# Altium PCB GE21_M1_pku_f100.PcbDoc (part 11 of 19) (continued)
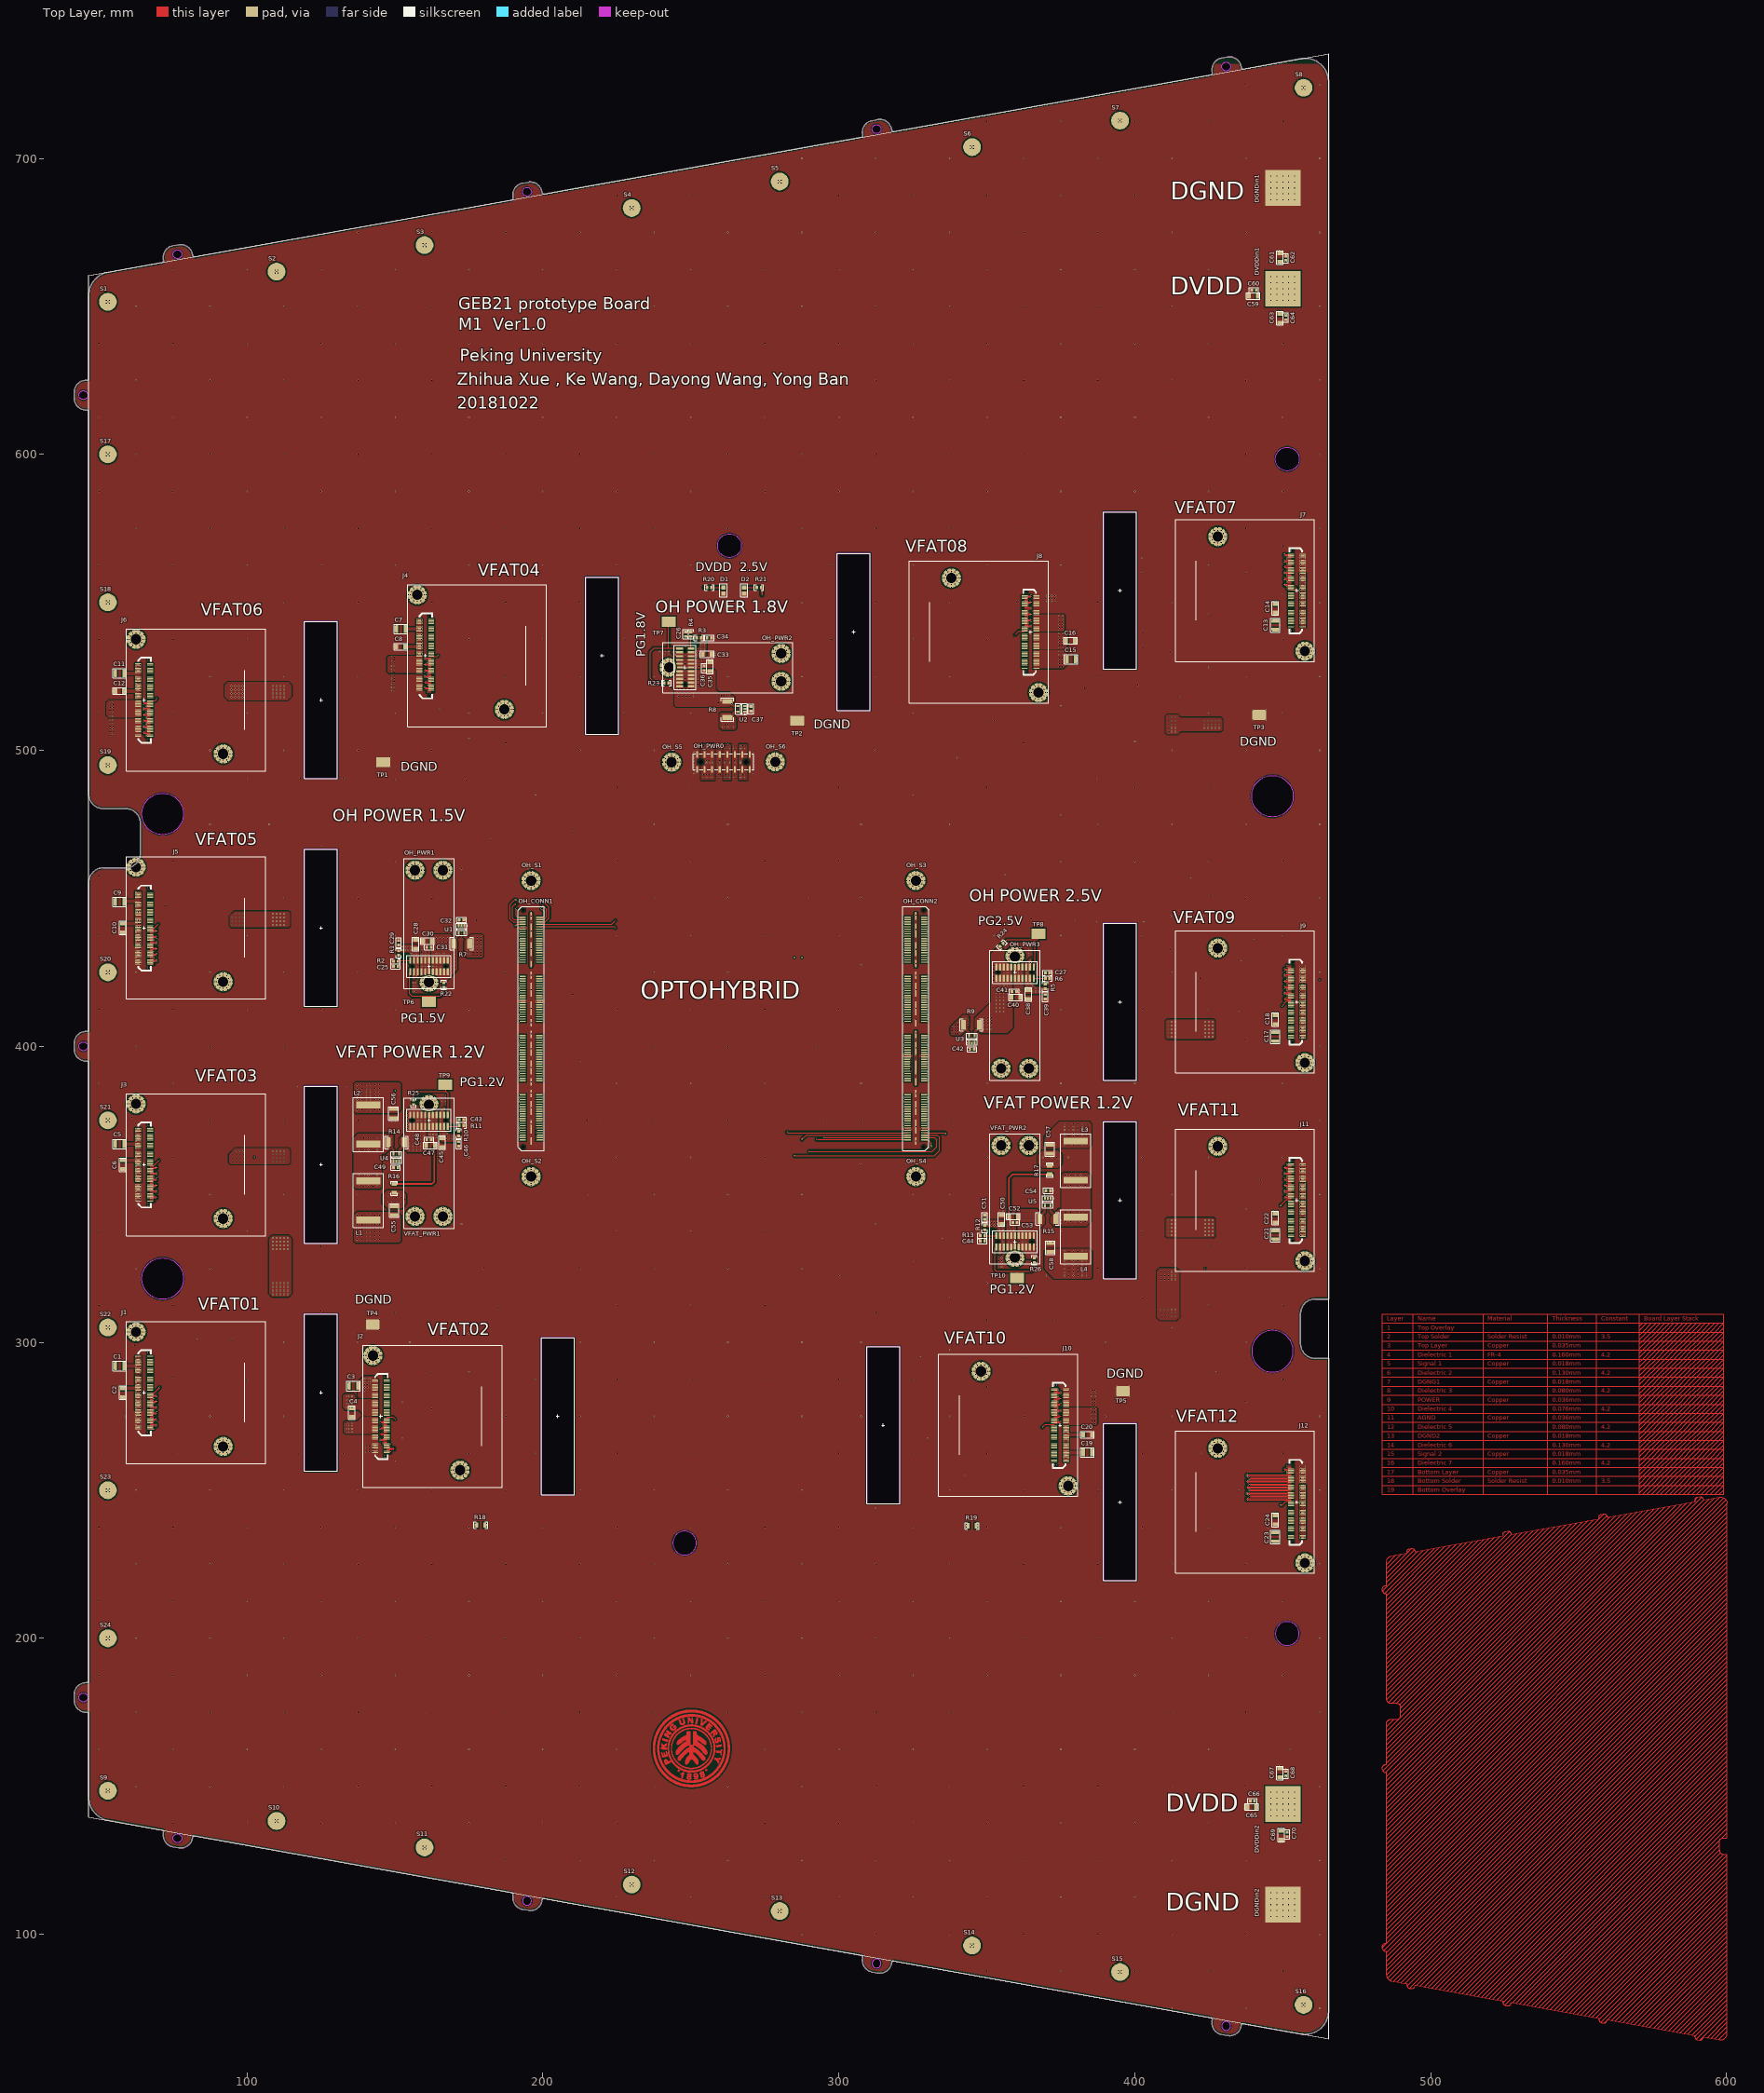
[diagram p0: Top Layer view]
## Nets (pads, with @x,y where several pads share a name; then routed paths per layer and width w, separated by ;. In a path a pad name is that pad's centre, name@x,y a point inside that pad or via, vN(x,y) a via of type N, cw(c..) or ccw(c..) an arc to the next point about the centre after c; other vN are vias at no path point) (continued)
; 238.749,161.561 239.358,161.561 ; 238.749,164.126 239.358,164.126 ; 238.749,164.152 239.358,164.152 ; 238.749,164.177 239.358,164.177 ; 238.749,164.203 239.358,164.203 ; 238.749,164.228 239.358,164.228 ; 238.749,164.253 239.358,164.253 ; 238.749,164.279 239.358,164.279 ; 238.749,164.304 239.358,164.304 ; 238.749,164.33 239.384,164.33 ; 238.749,169.029 239.536,169.029 ; 238.749,169.054 239.536,169.054 ; 238.774,156.583 239.561,156.583 ; 238.774,156.608 239.561,156.608 ; 238.774,161.18 239.409,161.18 ; 238.774,161.205 239.384,161.205 ; 238.774,161.231 239.384,161.231 ; 238.774,161.256 239.384,161.256 ; 238.774,161.282 239.384,161.282 ; 238.774,161.307 239.384,161.307 ; 238.774,161.332 239.384,161.332 ; 238.774,164.355 239.384,164.355 ; 238.774,164.38 239.384,164.38 ; 238.774,164.406 239.384,164.406 ; 238.774,164.431 239.384,164.431 ; 238.774,164.457 239.384,164.457 ; 238.774,164.482 239.384,164.482 ; 238.774,164.507 239.409,164.507 ; 238.774,169.079 239.561,169.079 ; 238.799,156.557 239.587,156.557 ; 238.799,161.028 239.434,161.028 ; 238.799,161.053 239.409,161.053 ; 238.799,161.078 239.409,161.078 ; 238.799,161.104 239.409,161.104 ; 238.799,161.129 239.409,161.129 ; 238.799,161.155 239.409,161.155 ; 238.799,164.533 239.409,164.533 ; 238.799,164.558 239.409,164.558 ; 238.799,164.584 239.409,164.584 ; 238.799,164.609 239.409,164.609 ; 238.799,164.634 239.409,164.634 ; 238.799,164.66 239.434,164.66 ; 238.799,169.105 239.587,169.105 ; 238.799,169.13 239.587,169.13 ; 238.825,156.506 239.612,156.506 ; 238.825,156.532 239.612,156.532 ; 238.825,160.875 239.46,160.875 ; 238.825,160.901 239.434,160.901 ; 238.825,160.926 239.434,160.926 ; 238.825,160.951 239.434,160.951 ; 238.825,160.977 239.434,160.977 ; 238.825,161.002 239.434,161.002 ; 238.825,164.685 239.434,164.685 ; 238.825,164.711 239.434,164.711 ; 238.825,164.736 239.434,164.736 ; 238.825,164.761 239.434,164.761 ; 238.825,164.787 239.434,164.787 ; 238.825,164.812 239.46,164.812 ; 238.825,169.156 239.612,169.156 ; 238.825,169.181 239.612,169.181 ; 238.85,156.456 239.663,156.456 ; 238.85,156.481 239.638,156.481 ; 238.85,160.748 239.485,160.748 ; 238.85,160.774 239.46,160.774 ; 238.85,160.799 239.46,160.799 ; 238.85,160.824 239.46,160.824 ; 238.85,160.85 239.46,160.85 ; 238.85,164.838 239.46,164.838 ; 238.85,164.863 239.46,164.863 ; 238.85,164.888 239.46,164.888 ; 238.85,164.914 239.46,164.914 ; 238.85,164.939 239.485,164.939 ; 238.85,169.206 239.638,169.206 ; 238.85,169.232 239.663,169.232 ; 238.876,156.405 239.688,156.405 ; 238.876,156.43 239.663,156.43 ; 238.876,160.621 239.511,160.621 ; 238.876,160.647 239.485,160.647 ; 238.876,160.672 239.485,160.672 ; 238.876,160.697 239.485,160.697 ; 238.876,160.723 239.485,160.723 ; 238.876,164.965 239.485,164.965 ; 238.876,164.99 239.485,164.99 ; 238.876,165.015 239.485,165.015 ; 238.876,165.041 239.485,165.041 ; 238.876,165.066 239.511,165.066 ; 238.876,169.257 239.663,169.257 ; 238.876,169.283 239.688,169.283 ; 238.901,156.379 239.688,156.379 ; 238.901,160.494 239.536,160.494 ; 238.901,160.52 239.511,160.52 ; 238.901,160.545 239.511,160.545 ; 238.901,160.57 239.511,160.57 ; 238.901,160.596 239.511,160.596 ; 238.901,165.092 239.511,165.092 ; 238.901,165.117 239.511,165.117 ; 238.901,165.142 239.511,165.142 ; 238.901,165.168 239.536,165.168 ; 238.901,165.193 239.536,165.193 ; 238.901,169.308 239.688,169.308 ; 238.926,156.329 239.739,156.329 ; 238.926,156.354 239.714,156.354 ; 238.926,160.367 239.561,160.367 ; 238.926,160.393 239.561,160.393 ; 238.926,160.418 239.536,160.418 ; 238.926,160.443 239.536,160.443 ; 238.926,160.469 239.536,160.469 ; 238.926,165.219 239.536,165.219 ; 238.926,165.244 239.536,165.244 ; 238.926,165.269 239.536,165.269 ; 238.926,165.295 239.561,165.295 ; 238.926,165.32 239.561,165.32 ; 238.926,169.333 239.714,169.333 ; 238.926,169.359 239.739,169.359 ; 238.952,156.278 239.765,156.278 ; 238.952,156.303 239.739,156.303 ; 238.952,160.266 239.587,160.266 ; 238.952,160.291 239.561,160.291 ; 238.952,160.316 239.561,160.316 ; 238.952,160.342 239.561,160.342 ; 238.952,165.346 239.561,165.346 ; 238.952,165.371 239.561,165.371 ; 238.952,165.396 239.587,165.396 ; 238.952,165.422 239.587,165.422 ; 238.952,169.384 239.739,169.384 ; 238.952,169.41 239.765,169.41 ; 238.977,156.252 239.79,156.252 ; 238.977,160.164 239.612,160.164 ; 238.977,160.189 239.587,160.189 ; 238.977,160.215 239.587,160.215 ; 238.977,160.24 239.587,160.24 ; 238.977,165.447 239.587,165.447 ; 238.977,165.473 239.587,165.473 ; 238.977,165.498 239.587,165.498 ; 238.977,165.523 239.612,165.523 ; 238.977,169.435 239.79,169.435 ; 239.003,156.202 239.815,156.202 ; 239.003,156.227 239.79,156.227 ; 239.003,160.037 239.638,160.037 ; 239.003,160.062 239.638,160.062 ; 239.003,160.088 239.612,160.088 ; 239.003,160.113 239.612,160.113 ; 239.003,160.139 239.612,160.139 ; 239.003,165.549 239.612,165.549 ; 239.003,165.574 239.612,165.574 ; 239.003,165.6 239.612,165.6 ; 239.003,165.625 239.638,165.625 ; 239.003,165.65 239.638,165.65 ; 239.003,169.46 239.79,169.46 ; 239.003,169.486 239.815,169.486 ; 239.028,156.151 239.841,156.151 ; 239.028,156.176 239.815,156.176 ; 239.028,159.935 239.663,159.935 ; 239.028,159.961 239.663,159.961 ; 239.028,159.986 239.638,159.986 ; 239.028,160.012 239.638,160.012 ; 239.028,165.676 239.638,165.676 ; 239.028,165.701 239.663,165.701 ; 239.028,165.727 239.663,165.727 ; 239.028,165.752 239.663,165.752 ; 239.028,169.511 239.815,169.511 ; 239.028,169.537 239.841,169.537 ; 239.053,156.125 239.866,156.125 ; 239.053,159.834 239.688,159.834 ; 239.053,159.859 239.688,159.859 ; 239.053,159.885 239.688,159.885 ; 239.053,159.91 239.663,159.91 ; 239.053,165.777 239.663,165.777 ; 239.053,165.803 239.688,165.803 ; 239.053,165.828 239.688,165.828 ; 239.053,169.562 239.866,169.562 ; 239.079,156.075 239.892,156.075 ; 239.079,156.1 239.866,156.1 ; 239.079,159.758 239.714,159.758 ; 239.079,159.783 239.714,159.783 ; 239.079,159.808 239.688,159.808 ; 239.079,165.854 239.688,165.854 ; 239.079,165.879 239.688,165.879 ; 239.079,165.904 239.714,165.904 ; 239.079,165.93 239.714,165.93 ; 239.079,169.587 239.866,169.587 ; 239.079,169.613 239.892,169.613 ; 239.104,156.024 239.917,156.024 ; 239.104,156.049 239.917,156.049 ; 239.104,159.656 239.739,159.656 ; 239.104,159.681 239.739,159.681 ; 239.104,159.707 239.739,159.707 ; 239.104,159.732 239.714,159.732 ; 239.104,165.955 239.714,165.955 ; 239.104,165.981 239.739,165.981 ; 239.104,166.006 239.739,166.006 ; 239.104,166.031 239.739,166.031 ; 239.104,169.638 239.917,169.638 ; 239.104,169.664 239.942,169.664 ; 239.13,155.998 239.942,155.998 ; 239.13,159.58 239.765,159.58 ; 239.13,159.605 239.765,159.605 ; 239.13,159.631 239.765,159.631 ; 239.13,166.057 239.765,166.057 ; 239.13,166.082 239.765,166.082 ; 239.13,166.108 239.765,166.108 ; 239.13,169.689 239.942,169.689 ; 239.155,155.948 239.968,155.948 ; 239.155,155.973 239.968,155.973 ; 239.155,159.478 239.815,159.478 ; 239.155,159.504 239.79,159.504 ; 239.155,159.529 239.79,159.529 ; 239.155,159.554 239.79,159.554 ; 239.155,166.133 239.79,166.133 ; 239.155,166.158 239.79,166.158 ; 239.155,166.184 239.79,166.184 ; 239.155,166.209 239.815,166.209 ; 239.155,169.714 239.968,169.714 ; 239.155,169.74 239.968,169.74 ; 239.18,155.922 239.993,155.922 ; 239.18,159.402 239.841,159.402 ; 239.18,159.427 239.815,159.427 ; 239.18,159.453 239.815,159.453 ; 239.18,166.235 239.815,166.235 ; 239.18,166.26 239.815,166.26 ; 239.18,166.285 239.841,166.285 ; 239.18,169.765 239.993,169.765 ; 239.206,155.871 240.019,155.871 ; 239.206,155.897 240.019,155.897 ; 239.206,159.326 239.866,159.326 ; 239.206,159.351 239.841,159.351 ; 239.206,159.377 239.841,159.377 ; 239.206,166.311 239.841,166.311 ; 239.206,166.336 239.841,166.336 ; 239.206,166.362 239.866,166.362 ; 239.206,169.791 240.019,169.791 ; 239.206,169.816 240.044,169.816 ; 239.231,155.821 240.069,155.821 ; 239.231,155.846 240.044,155.846 ; 239.231,159.25 239.892,159.25 ; 239.231,159.275 239.866,159.275 ; 239.231,159.3 239.866,159.3 ; 239.231,166.387 239.866,166.387 ; 239.231,166.412 239.866,166.412 ; 239.231,166.438 239.892,166.438 ; 239.231,169.841 240.044,169.841 ; 239.231,169.867 240.069,169.867 ; 239.257,155.795 240.095,155.795 ; 239.257,159.173 239.917,159.173 ; 239.257,159.199 239.892,159.199 ; 239.257,159.224 239.892,159.224 ; 239.257,166.463 239.892,166.463 ; 239.257,166.489 239.892,166.489 ; 239.257,166.514 239.917,166.514 ; 239.257,169.892 240.095,169.892 ; 239.282,155.744 240.12,155.744 ; 239.282,155.77 240.095,155.77 ; 239.282,159.097 239.942,159.097 ; 239.282,159.123 239.917,159.123 ; 239.282,159.148 239.917,159.148 ; 239.282,166.539 239.917,166.539 ; 239.282,166.565 239.917,166.565 ; 239.282,166.59 239.942,166.59 ; 239.282,169.918 240.095,169.918 ; 239.282,169.943 240.12,169.943 ; 239.307,155.719 240.146,155.719 ; 239.307,159.046 239.968,159.046 ; 239.307,159.072 239.942,159.072 ; 239.307,166.616 239.942,166.616 ; 239.307,166.641 239.968,166.641 ; 239.307,166.666 239.968,166.666 ; 239.307,169.968 240.146,169.968 ; 239.333,155.668 240.171,155.668 ; 239.333,155.694 240.146,155.694 ; 239.333,158.97 239.993,158.97 ; 239.333,158.996 239.968,158.996 ; 239.333,159.021 239.968,159.021 ; 239.333,166.692 239.968,166.692 ; 239.333,166.717 239.993,166.717 ; 239.333,169.994 240.146,169.994 ; 239.333,170.019 240.171,170.019 ; 239.358,155.643 240.196,155.643 ; 239.358,158.894 240.019,158.894 ; 239.358,158.919 239.993,158.919 ; 239.358,158.945 239.993,158.945 ; 239.358,166.743 239.993,166.743 ; 239.358,166.768 239.993,166.768 ; 239.358,166.793 240.019,166.793 ; 239.358,170.045 240.196,170.045 ; 239.384,155.592 240.222,155.592 ; 239.384,155.617 240.222,155.617 ; 239.384,158.818 240.044,158.818 ; 239.384,158.843 240.044,158.843 ; 239.384,158.869 240.019,158.869 ; 239.384,166.819 240.019,166.819 ; 239.384,166.844 240.044,166.844 ; 239.384,166.87 240.044,166.87 ; 239.384,170.07 240.222,170.07 ; 239.384,170.095 240.222,170.095 ; 239.409,155.567 240.247,155.567 ; 239.409,158.767 240.069,158.767 ; 239.409,158.792 240.044,158.792 ; 239.409,166.895 240.044,166.895 ; 239.409,166.92 240.069,166.92 ; 239.409,170.121 240.247,170.121 ; 239.434,155.516 240.273,155.516 ; 239.434,155.541 240.273,155.541 ; 239.434,158.691 240.095,158.691 ; 239.434,158.716 240.095,158.716 ; 239.434,158.742 240.069,158.742 ; 239.434,166.946 240.069,166.946 ; 239.434,166.971 240.095,166.971 ; 239.434,166.997 240.095,166.997 ; 239.434,170.146 240.273,170.146 ; 239.434,170.172 240.273,170.172 ; 239.46,155.49 240.298,155.49 ; 239.46,158.615 240.12,158.615 ; 239.46,158.64 240.12,158.64 ; 239.46,158.665 240.095,158.665 ; 239.46,167.022 240.095,167.022 ; 239.46,167.047 240.12,167.047 ; 239.46,167.073 240.12,167.073 ; 239.46,170.197 240.298,170.197 ; 239.485,155.465 240.323,155.465 ; 239.485,158.564 240.146,158.564 ; 239.485,158.589 240.146,158.589 ; 239.485,167.098 240.146,167.098 ; 239.485,167.124 240.146,167.124 ; 239.485,170.222 240.323,170.222 ; 239.511,155.414 240.349,155.414 ; 239.511,155.44 240.349,155.44 ; 239.511,158.513 240.171,158.513 ; 239.511,158.538 240.171,158.538 ; 239.511,167.149 240.171,167.149 ; 239.511,167.174 240.171,167.174 ; 239.511,170.248 240.349,170.248 ; 239.511,170.273 240.349,170.273 ; 239.536,155.389 240.374,155.389 ; 239.536,158.437 240.196,158.437 ; 239.536,158.462 240.196,158.462 ; 239.536,158.488 240.171,158.488 ; 239.536,167.2 240.171,167.2 ; 239.536,167.225 240.196,167.225 ; 239.536,167.251 240.196,167.251 ; 239.536,170.299 240.374,170.299 ; 239.561,155.338 240.425,155.338 ; 239.561,155.363 240.4,155.363 ; 239.561,158.386 240.222,158.386 ; 239.561,158.411 240.222,158.411 ; 239.561,167.276 240.222,167.276 ; 239.561,167.301 240.222,167.301 ; 239.561,170.324 240.4,170.324 ; 239.561,170.349 240.425,170.349 ; 239.587,155.313 240.45,155.313 ; 239.587,158.31 240.273,158.31 ; 239.587,158.335 240.247,158.335 ; 239.587,158.361 240.247,158.361 ; 239.587,167.327 240.247,167.327 ; 239.587,167.352 240.247,167.352 ; 239.587,167.378 240.273,167.378 ; 239.587,170.375 240.45,170.375 ; 239.612,155.287 240.45,155.287 ; 239.612,158.259 240.273,158.259 ; 239.612,158.284 240.273,158.284 ; 239.612,167.403 240.273,167.403 ; 239.612,167.428 240.273,167.428 ; 239.612,170.4 240.45,170.4 ; 239.638,155.236 240.501,155.236 ; 239.638,155.262 240.476,155.262 ; 239.638,158.208 240.298,158.208 ; 239.638,158.234 240.298,158.234 ; 239.638,167.454 240.298,167.454 ; 239.638,167.479 240.298,167.479 ; 239.638,170.426 240.476,170.426 ; 239.638,170.451 240.501,170.451 ; 239.663,155.211 240.527,155.211 ; 239.663,158.132 240.349,158.132 ; 239.663,158.157 240.323,158.157 ; 239.663,158.183 240.323,158.183 ; 239.663,167.505 240.323,167.505 ; 239.663,167.53 240.323,167.53 ; 239.663,167.555 240.349,167.555 ; 239.663,170.476 240.527,170.476 ; 239.688,155.16 240.552,155.16 ; 239.688,155.186 240.527,155.186 ; 239.688,158.081 240.374,158.081 ; 239.688,158.107 240.349,158.107 ; 239.688,167.581 240.349,167.581 ; 239.688,167.606 240.374,167.606 ; 239.688,170.502 240.552,170.502 ; 239.688,170.527 240.552,170.527 ; 239.714,155.135 240.577,155.135 ; 239.714,158.03 240.4,158.03 ; 239.714,158.056 240.374,158.056 ; 239.714,167.632 240.374,167.632 ; 239.714,167.657 240.4,167.657 ; 239.714,170.553 240.577,170.553 ; 239.739,155.109 240.603,155.109 ; 239.739,157.98 240.425,157.98 ; 239.739,158.005 240.4,158.005 ; 239.739,167.682 240.4,167.682 ; 239.739,167.708 240.425,167.708 ; 239.739,170.578 240.603,170.578 ; 239.765,155.059 240.628,155.059 ; 239.765,155.084 240.628,155.084 ; 239.765,157.929 240.45,157.929 ; 239.765,157.954 240.425,157.954 ; 239.765,167.733 240.425,167.733 ; 239.765,167.759 240.45,167.759 ; 239.765,170.603 240.628,170.603 ; 239.765,170.629 240.654,170.629 ; 239.79,155.033 240.654,155.033 ; 239.79,157.878 240.476,157.878 ; 239.79,157.903 240.45,157.903 ; 239.79,167.784 240.45,167.784 ; 239.79,167.809 240.476,167.809 ; 239.79,170.654 240.654,170.654 ; 239.815,155.008 240.679,155.008 ; 239.815,157.827 240.501,157.827 ; 239.815,157.853 240.476,157.853 ; 239.815,167.835 240.476,167.835 ; 239.815,167.86 240.501,167.86 ; 239.815,170.68 240.679,170.68 ; 239.841,154.957 240.73,154.957 ; 239.841,154.982 240.704,154.982 ; 239.841,157.776 240.527,157.776 ; 239.841,157.802 240.501,157.802 ; 239.841,167.886 240.501,167.886 ; 239.841,167.911 240.527,167.911 ; 239.841,170.705 240.704,170.705 ; 239.841,170.73 240.73,170.73 ; 239.866,154.932 240.755,154.932 ; 239.866,157.726 240.552,157.726 ; 239.866,157.751 240.527,157.751 ; 239.866,167.936 240.552,167.936 ; 239.866,167.962 240.552,167.962 ; 239.866,170.756 240.755,170.756 ; 239.892,154.906 240.781,154.906 ; 239.892,157.675 240.577,157.675 ; 239.892,157.7 240.552,157.7 ; 239.892,167.987 240.577,167.987 ; 239.892,168.013 240.577,168.013 ; 239.892,170.781 240.781,170.781 ; 239.917,154.855 240.806,154.855 ; 239.917,154.881 240.781,154.881 ; 239.917,157.624 240.603,157.624 ; 239.917,157.649 240.603,157.649 ; 239.917,162.755 241.822,162.755 ; 239.917,162.78 241.822,162.78 ; 239.917,162.806 241.822,162.806 ; 239.917,162.831 241.822,162.831 ; 239.917,162.856 241.822,162.856 ; 239.917,162.882 241.822,162.882 ; 239.917,168.038 240.603,168.038 ; 239.917,168.063 240.603,168.063 ; 239.917,170.807 240.806,170.807 ; 239.917,170.832 240.806,170.832 ; 239.942,154.83 240.831,154.83 ; 239.942,157.573 240.628,157.573 ; 239.942,157.599 240.628,157.599 ; 239.942,162.704 241.797,162.704 ; 239.942,162.729 241.797,162.729 ; 239.942,162.907 241.822,162.907 ; 239.942,162.933 241.822,162.933 ; 239.942,162.958 241.847,162.958 ; 239.942,162.983 241.822,162.983 ; 239.942,163.009 241.822,163.009 ; 239.942,168.089 240.628,168.089 ; 239.942,168.114 240.628,168.114 ; 239.942,170.857 240.831,170.857 ; 239.968,154.805 240.857,154.805 ; 239.968,157.522 240.654,157.522 ; 239.968,157.548 240.654,157.548 ; 239.968,162.679 241.797,162.679 ; 239.968,163.034 241.771,163.034 ; 239.968,163.06 241.416,163.06 ; 239.968,163.085 241.39,163.085 ; 239.968,163.11 241.365,163.11 ; 239.968,163.136 240.349,163.136 ; 239.968,168.14 240.654,168.14 ; 239.968,168.165 240.654,168.165 ; 239.968,170.883 240.857,170.883 ; 239.993,154.779 240.882,154.779 ; 239.993,157.472 240.679,157.472 ; 239.993,157.497 240.679,157.497 ; 239.993,168.19 240.679,168.19 ; 239.993,168.216 240.679,168.216 ; 239.993,170.908 240.882,170.908 ; 240.019,154.728 240.933,154.728 ; 240.019,154.754 240.908,154.754 ; 240.019,157.421 240.73,157.421 ; 240.019,157.446 240.704,157.446 ; 240.019,163.161 240.196,163.161 ; 240.019,163.949 240.654,163.949 ; 240.019,163.974 240.603,163.974 ; 240.019,163.999 240.552,163.999 ; 240.019,164.025 240.527,164.025 ; 240.019,164.05 240.501,164.05 ; 240.019,164.076 240.476,164.076 ; 240.019,164.101 240.45,164.101 ; 240.019,164.126 240.425,164.126 ; 240.019,164.152 240.4,164.152 ; 240.019,164.177 240.374,164.177 ; 240.019,164.203 240.374,164.203 ; 240.019,168.241 240.704,168.241 ; 240.019,168.267 240.73,168.267 ; 240.019,170.934 240.908,170.934 ; 240.019,170.959 240.933,170.959 ; 240.044,154.703 240.933,154.703 ; 240.044,157.37 240.755,157.37 ; 240.044,157.395 240.73,157.395 ; 240.044,163.898 241.822,163.898 ; 240.044,163.923 240.73,163.923 ; 240.044,164.228 240.349,164.228 ; 240.044,164.253 240.323,164.253 ; 240.044,164.279 240.298,164.279 ; 240.044,164.304 240.273,164.304 ; 240.044,164.33 240.247,164.33 ; 240.044,164.355 240.247,164.355 ; 240.044,164.38 240.222,164.38 ; 240.044,164.406 240.196,164.406 ; 240.044,164.431 240.171,164.431 ; 240.044,164.457 240.146,164.457 ; 240.044,164.482 240.12,164.482 ; 240.044,168.292 240.73,168.292 ; 240.044,170.984 240.958,170.984 ; 240.069,154.678 240.958,154.678 ; 240.069,157.345 240.755,157.345 ; 240.069,161.104 240.4,161.104 ; 240.069,161.129 240.374,161.129 ; 240.069,161.155 240.374,161.155 ; 240.069,161.18 240.374,161.18 ; 240.069,161.205 240.374,161.205 ; 240.069,161.231 240.374,161.231 ; 240.069,161.256 240.374,161.256 ; 240.069,161.282 240.349,161.282 ; 240.069,161.307 240.349,161.307 ; 240.069,161.332 240.349,161.332 ; 240.069,161.358 240.323,161.358 ; 240.069,161.383 240.323,161.383 ; 240.069,163.872 241.771,163.872 ; 240.069,168.317 240.755,168.317 ; 240.069,168.343 240.755,168.343 ; 240.069,171.01 240.958,171.01 ; 240.095,154.652 240.984,154.652 ; 240.095,157.294 240.806,157.294 ; 240.095,157.319 240.781,157.319 ; 240.095,161.053 240.4,161.053 ; 240.095,161.078 240.4,161.078 ; 240.095,161.409 240.298,161.409 ; 240.095,162.653 241.797,162.653 ; 240.095,163.822 241.695,163.822 ; 240.095,163.847 241.746,163.847 ; 240.095,168.368 240.781,168.368 ; 240.095,168.394 240.806,168.394 ; 240.095,171.035 240.984,171.035 ; 240.12,154.601 241.035,154.601 ; 240.12,154.627 241.009,154.627 ; 240.12,157.243 240.831,157.243 ; 240.12,157.268 240.806,157.268 ; 240.12,161.028 240.4,161.028 ; 240.12,163.796 241.644,163.796 ; 240.12,168.419 240.806,168.419 ; 240.12,168.444 240.831,168.444 ; 240.12,171.061 241.009,171.061 ; 240.12,171.086 241.035,171.086 ; 240.146,154.576 241.06,154.576 ; 240.146,157.192 240.857,157.192 ; 240.146,157.218 240.831,157.218 ; 240.146,160.85 240.45,160.85 ; 240.146,160.875 240.425,160.875 ; 240.146,160.901 240.425,160.901 ; 240.146,160.926 240.4,160.926 ; 240.146,160.951 240.4,160.951 ; 240.146,160.977 240.4,160.977 ; 240.146,161.002 240.4,161.002 ; 240.146,163.771 241.593,163.771 ; 240.146,168.47 240.831,168.47 ; 240.146,168.495 240.857,168.495 ; 240.146,171.111 241.06,171.111 ; 240.171,154.551 241.085,154.551 ; 240.171,157.167 240.882,157.167 ; 240.171,160.723 240.501,160.723 ; 240.171,160.748 240.476,160.748 ; 240.171,160.774 240.476,160.774 ; 240.171,160.799 240.476,160.799 ; 240.171,160.824 240.45,160.824 ; 240.171,163.745 241.517,163.745 ; 240.171,168.521 240.882,168.521 ; 240.171,171.137 241.085,171.137 ; 240.196,154.525 241.111,154.525 ; 240.196,157.116 240.908,157.116 ; 240.196,157.141 240.882,157.141 ; 240.196,160.596 240.527,160.596 ; 240.196,160.621 240.501,160.621 ; 240.196,160.647 240.501,160.647 ; 240.196,160.672 240.501,160.672 ; 240.196,160.697 240.501,160.697 ; 240.196,163.72 241.466,163.72 ; 240.196,168.546 240.882,168.546 ; 240.196,168.571 240.908,168.571 ; 240.196,171.162 241.111,171.162 ; 240.222,154.5 241.136,154.5 ; 240.222,157.065 240.933,157.065 ; 240.222,157.091 240.908,157.091 ; 240.222,160.52 240.527,160.52 ; 240.222,160.545 240.527,160.545 ; 240.222,160.57 240.527,160.57 ; 240.222,163.695 241.416,163.695 ; 240.222,168.597 240.908,168.597 ; 240.222,168.622 240.933,168.622 ; 240.222,171.188 241.136,171.188 ; 240.247,154.449 241.187,154.449 ; 240.247,154.474 241.162,154.474 ; 240.247,157.014 240.958,157.014 ; 240.247,157.04 240.958,157.04 ; 240.247,160.418 242.178,160.418 ; 240.247,160.443 240.603,160.443 ; 240.247,160.469 240.577,160.469 ; 240.247,160.494 240.552,160.494 ; 240.247,163.669 241.339,163.669 ; 240.247,168.648 240.958,168.648 ; 240.247,168.673 240.958,168.673 ; 240.247,171.213 241.162,171.213 ; 240.247,171.238 241.187,171.238 ; 240.273,154.424 241.187,154.424 ; 240.273,156.989 240.984,156.989 ; 240.273,160.316 242.152,160.316 ; 240.273,160.342 242.178,160.342 ; 240.273,160.367 242.203,160.367 ; 240.273,160.393 242.203,160.393 ; 240.273,163.644 241.289,163.644 ; 240.273,168.698 240.984,168.698 ; 240.273,171.264 241.212,171.264 ; 240.298,154.398 241.212,154.398 ; 240.298,156.938 241.009,156.938 ; 240.298,156.964 241.009,156.964 ; 240.298,160.189 241.695,160.189 ; 240.298,160.215 241.797,160.215 ; 240.298,160.24 241.873,160.24 ; 240.298,160.266 241.974,160.266 ; 240.298,160.291 242.076,160.291 ; 240.298,163.618 241.238,163.618 ; 240.298,168.724 241.009,168.724 ; 240.298,168.749 241.009,168.749 ; 240.298,171.289 241.212,171.289 ; 240.323,154.373 241.238,154.373 ; 240.323,156.887 241.06,156.887 ; 240.323,156.913 241.035,156.913 ; 240.323,160.012 240.857,160.012 ; 240.323,160.037 240.933,160.037 ; 240.323,160.062 241.136,160.062 ; 240.323,160.088 241.289,160.088 ; 240.323,160.113 241.416,160.113 ; 240.323,160.139 241.517,160.139 ; 240.323,160.164 241.619,160.164 ; 240.323,163.593 241.187,163.593 ; 240.323,165.777 241.797,165.777 ; 240.323,168.775 241.035,168.775 ; 240.323,168.8 241.06,168.8 ; 240.323,171.315 241.238,171.315 ; 240.349,154.347 241.263,154.347 ; 240.349,156.862 241.06,156.862 ; 240.349,159.986 240.806,159.986 ; 240.349,163.568 241.136,163.568 ; 240.349,165.701 242,165.701 ; 240.349,165.727 241.924,165.727 ; 240.349,165.752 241.873,165.752 ; 240.349,165.803 241.72,165.803 ; 240.349,165.828 241.593,165.828 ; 240.349,165.854 241.568,165.854 ; 240.349,168.825 241.06,168.825 ; 240.349,171.34 241.263,171.34 ; 240.374,154.322 241.289,154.322 ; 240.374,156.811 241.111,156.811 ; 240.374,156.837 241.085,156.837 ; 240.374,159.961 240.755,159.961 ; 240.374,163.542 241.085,163.542 ; 240.374,165.676 242.051,165.676 ; 240.374,165.879 241.517,165.879 ; 240.374,168.851 241.085,168.851 ; 240.374,168.876 241.111,168.876 ; 240.374,171.365 241.289,171.365 ; 240.4,154.297 241.314,154.297 ; 240.4,156.76 241.136,156.76 ; 240.4,156.786 241.111,156.786 ; 240.4,159.935 240.679,159.935 ; 240.4,163.517 241.06,163.517 ; 240.4,165.904 241.441,165.904 ; 240.4,165.93 241.289,165.93 ; 240.4,168.902 241.111,168.902 ; 240.4,168.927 241.136,168.927 ; 240.4,171.391 241.314,171.391 ; 240.425,154.246 241.365,154.246 ; 240.425,154.271 241.339,154.271 ; 240.425,156.735 241.162,156.735 ; 240.425,163.491 241.06,163.491 ; 240.425,165.65 242.203,165.65 ; 240.425,165.955 241.162,165.955 ; 240.425,165.981 241.085,165.981 ; 240.425,166.006 241.035,166.006 ; 240.425,166.031 240.984,166.031 ; 240.425,166.057 240.806,166.057 ; 240.425,166.082 240.679,166.082 ; 240.425,168.952 241.162,168.952 ; 240.425,171.416 241.339,171.416 ; 240.425,171.442 241.365,171.442 ; 240.45,154.22 241.39,154.22 ; 240.45,156.684 241.187,156.684 ; 240.45,156.71 241.162,156.71 ; 240.45,159.91 240.603,159.91 ; 240.45,163.466 241.06,163.466 ; 240.45,166.108 240.628,166.108 ; 240.45,166.133 240.603,166.133 ; 240.45,168.978 241.162,168.978 ; 240.45,169.003 241.187,169.003 ; 240.45,171.467 241.39,171.467 ; 240.476,154.195 241.416,154.195 ; 240.476,156.659 241.212,156.659 ; 240.476,163.441 241.06,163.441 ; 240.476,169.029 241.212,169.029 ; 240.476,171.492 241.416,171.492 ; 240.501,154.17 241.441,154.17 ; 240.501,156.608 241.238,156.608 ; 240.501,156.633 241.212,156.633 ; 240.501,163.136 241.339,163.136 ; 240.501,163.415 241.06,163.415 ; 240.501,166.158 240.577,166.158 ; 240.501,169.054 241.212,169.054 ; 240.501,169.079 241.238,169.079 ; 240.501,171.518 241.441,171.518 ; 240.527,154.144 241.466,154.144 ; 240.527,156.583 241.263,156.583 ; 240.527,163.39 241.085,163.39 ; 240.527,169.105 241.263,169.105 ; 240.527,171.543 241.466,171.543 ; 240.552,154.119 241.492,154.119 ; 240.552,156.532 241.289,156.532 ; 240.552,156.557 241.263,156.557 ; 240.552,169.13 241.263,169.13 ; 240.552,169.156 241.289,169.156 ; 240.552,171.569 241.492,171.569 ; 240.577,154.093 241.517,154.093 ; 240.577,156.506 241.314,156.506 ; 240.577,163.161 241.314,163.161 ; 240.577,163.364 241.085,163.364 ; 240.577,165.625 242.203,165.625 ; 240.577,169.181 241.314,169.181 ; 240.577,171.594 241.517,171.594 ; 240.603,154.068 241.543,154.068 ; 240.603,156.456 241.339,156.456 ; 240.603,156.481 241.314,156.481 ; 240.603,162.628 241.797,162.628 ; 240.603,163.187 241.263,163.187 ; 240.603,163.212 241.238,163.212 ; 240.603,163.339 241.111,163.339 ; 240.603,169.206 241.314,169.206 ; 240.603,169.232 241.339,169.232 ; 240.603,171.619 241.543,171.619 ; 240.628,154.043 241.568,154.043 ; 240.628,156.43 241.365,156.43 ; 240.628,163.237 241.212,163.237 ; 240.628,163.263 241.187,163.263 ; 240.628,163.288 241.162,163.288 ; 240.628,163.314 241.136,163.314 ; 240.628,169.257 241.365,169.257 ; 240.628,171.645 241.568,171.645 ; 240.654,153.992 241.619,153.992 ; 240.654,154.017 241.593,154.017 ; 240.654,156.379 241.39,156.379 ; 240.654,156.405 241.39,156.405 ; 240.654,169.283 241.39,169.283 ; 240.654,169.308 241.39,169.308 ; 240.654,171.67 241.593,171.67 ; 240.654,171.696 241.619,171.696 ; 240.679,153.966 241.644,153.966 ; 240.679,156.354 241.416,156.354 ; 240.679,169.333 241.416,169.333 ; 240.679,171.721 241.644,171.721 ; 240.704,153.941 241.67,153.941 ; 240.704,156.303 241.466,156.303 ; 240.704,156.329 241.441,156.329 ; 240.704,160.443 242.152,160.443 ; 240.704,165.6 242.228,165.6 ; 240.704,169.359 241.441,169.359 ; 240.704,169.384 241.466,169.384 ; 240.704,171.746 241.67,171.746 ; 240.73,153.916 241.695,153.916 ; 240.73,156.278 241.466,156.278 ; 240.73,169.41 241.466,169.41 ; 240.73,171.772 241.695,171.772 ; 240.755,153.89 241.72,153.89 ; 240.755,156.227 241.517,156.227 ; 240.755,156.252 241.492,156.252 ; 240.755,169.435 241.492,169.435 ; 240.755,169.46 241.517,169.46 ; 240.755,171.797 241.72,171.797 ; 240.781,153.865 241.746,153.865 ; 240.781,156.202 241.543,156.202 ; 240.781,160.469 242.152,160.469 ; 240.781,161.307 241.085,161.307 ; 240.781,161.332 241.085,161.332 ; 240.781,161.358 241.06,161.358 ; 240.781,161.383 241.06,161.383 ; 240.781,161.409 241.06,161.409 ; 240.781,169.486 241.543,169.486 ; 240.781,171.823 241.771,171.823 ; 240.806,153.839 241.797,153.839 ; 240.806,156.151 241.568,156.151 ; 240.806,156.176 241.543,156.176 ; 240.806,161.205 241.111,161.205 ; 240.806,161.231 241.111,161.231 ; 240.806,161.256 241.085,161.256 ; 240.806,161.282 241.085,161.282 ; 240.806,161.434 241.06,161.434 ; 240.806,165.574 242.228,165.574 ; 240.806,169.511 241.568,169.511 ; 240.806,169.537 241.568,169.537 ; 240.806,171.848 241.797,171.848 ; 240.831,153.814 241.822,153.814 ; 240.831,156.125 241.593,156.125 ; 240.831,161.129 241.136,161.129 ; 240.831,161.155 241.136,161.155 ; 240.831,161.18 241.111,161.18 ; 240.831,161.459 241.035,161.459 ; 240.831,163.923 241.847,163.923 ; 240.831,169.562 241.593,169.562 ; 240.831,171.873 241.822,171.873 ; 240.857,153.789 241.847,153.789 ; 240.857,156.1 241.619,156.1 ; 240.857,160.494 242.152,160.494 ; 240.857,161.053 241.162,161.053 ; 240.857,161.078 241.162,161.078 ; 240.857,161.104 241.162,161.104 ; 240.857,161.485 241.035,161.485 ; 240.857,169.587 241.619,169.587 ; 240.857,171.899 241.847,171.899 ; 240.882,153.763 241.873,153.763 ; 240.882,156.049 241.644,156.049